# KiCad board demo_matrix2.kicad_pcb (continued)
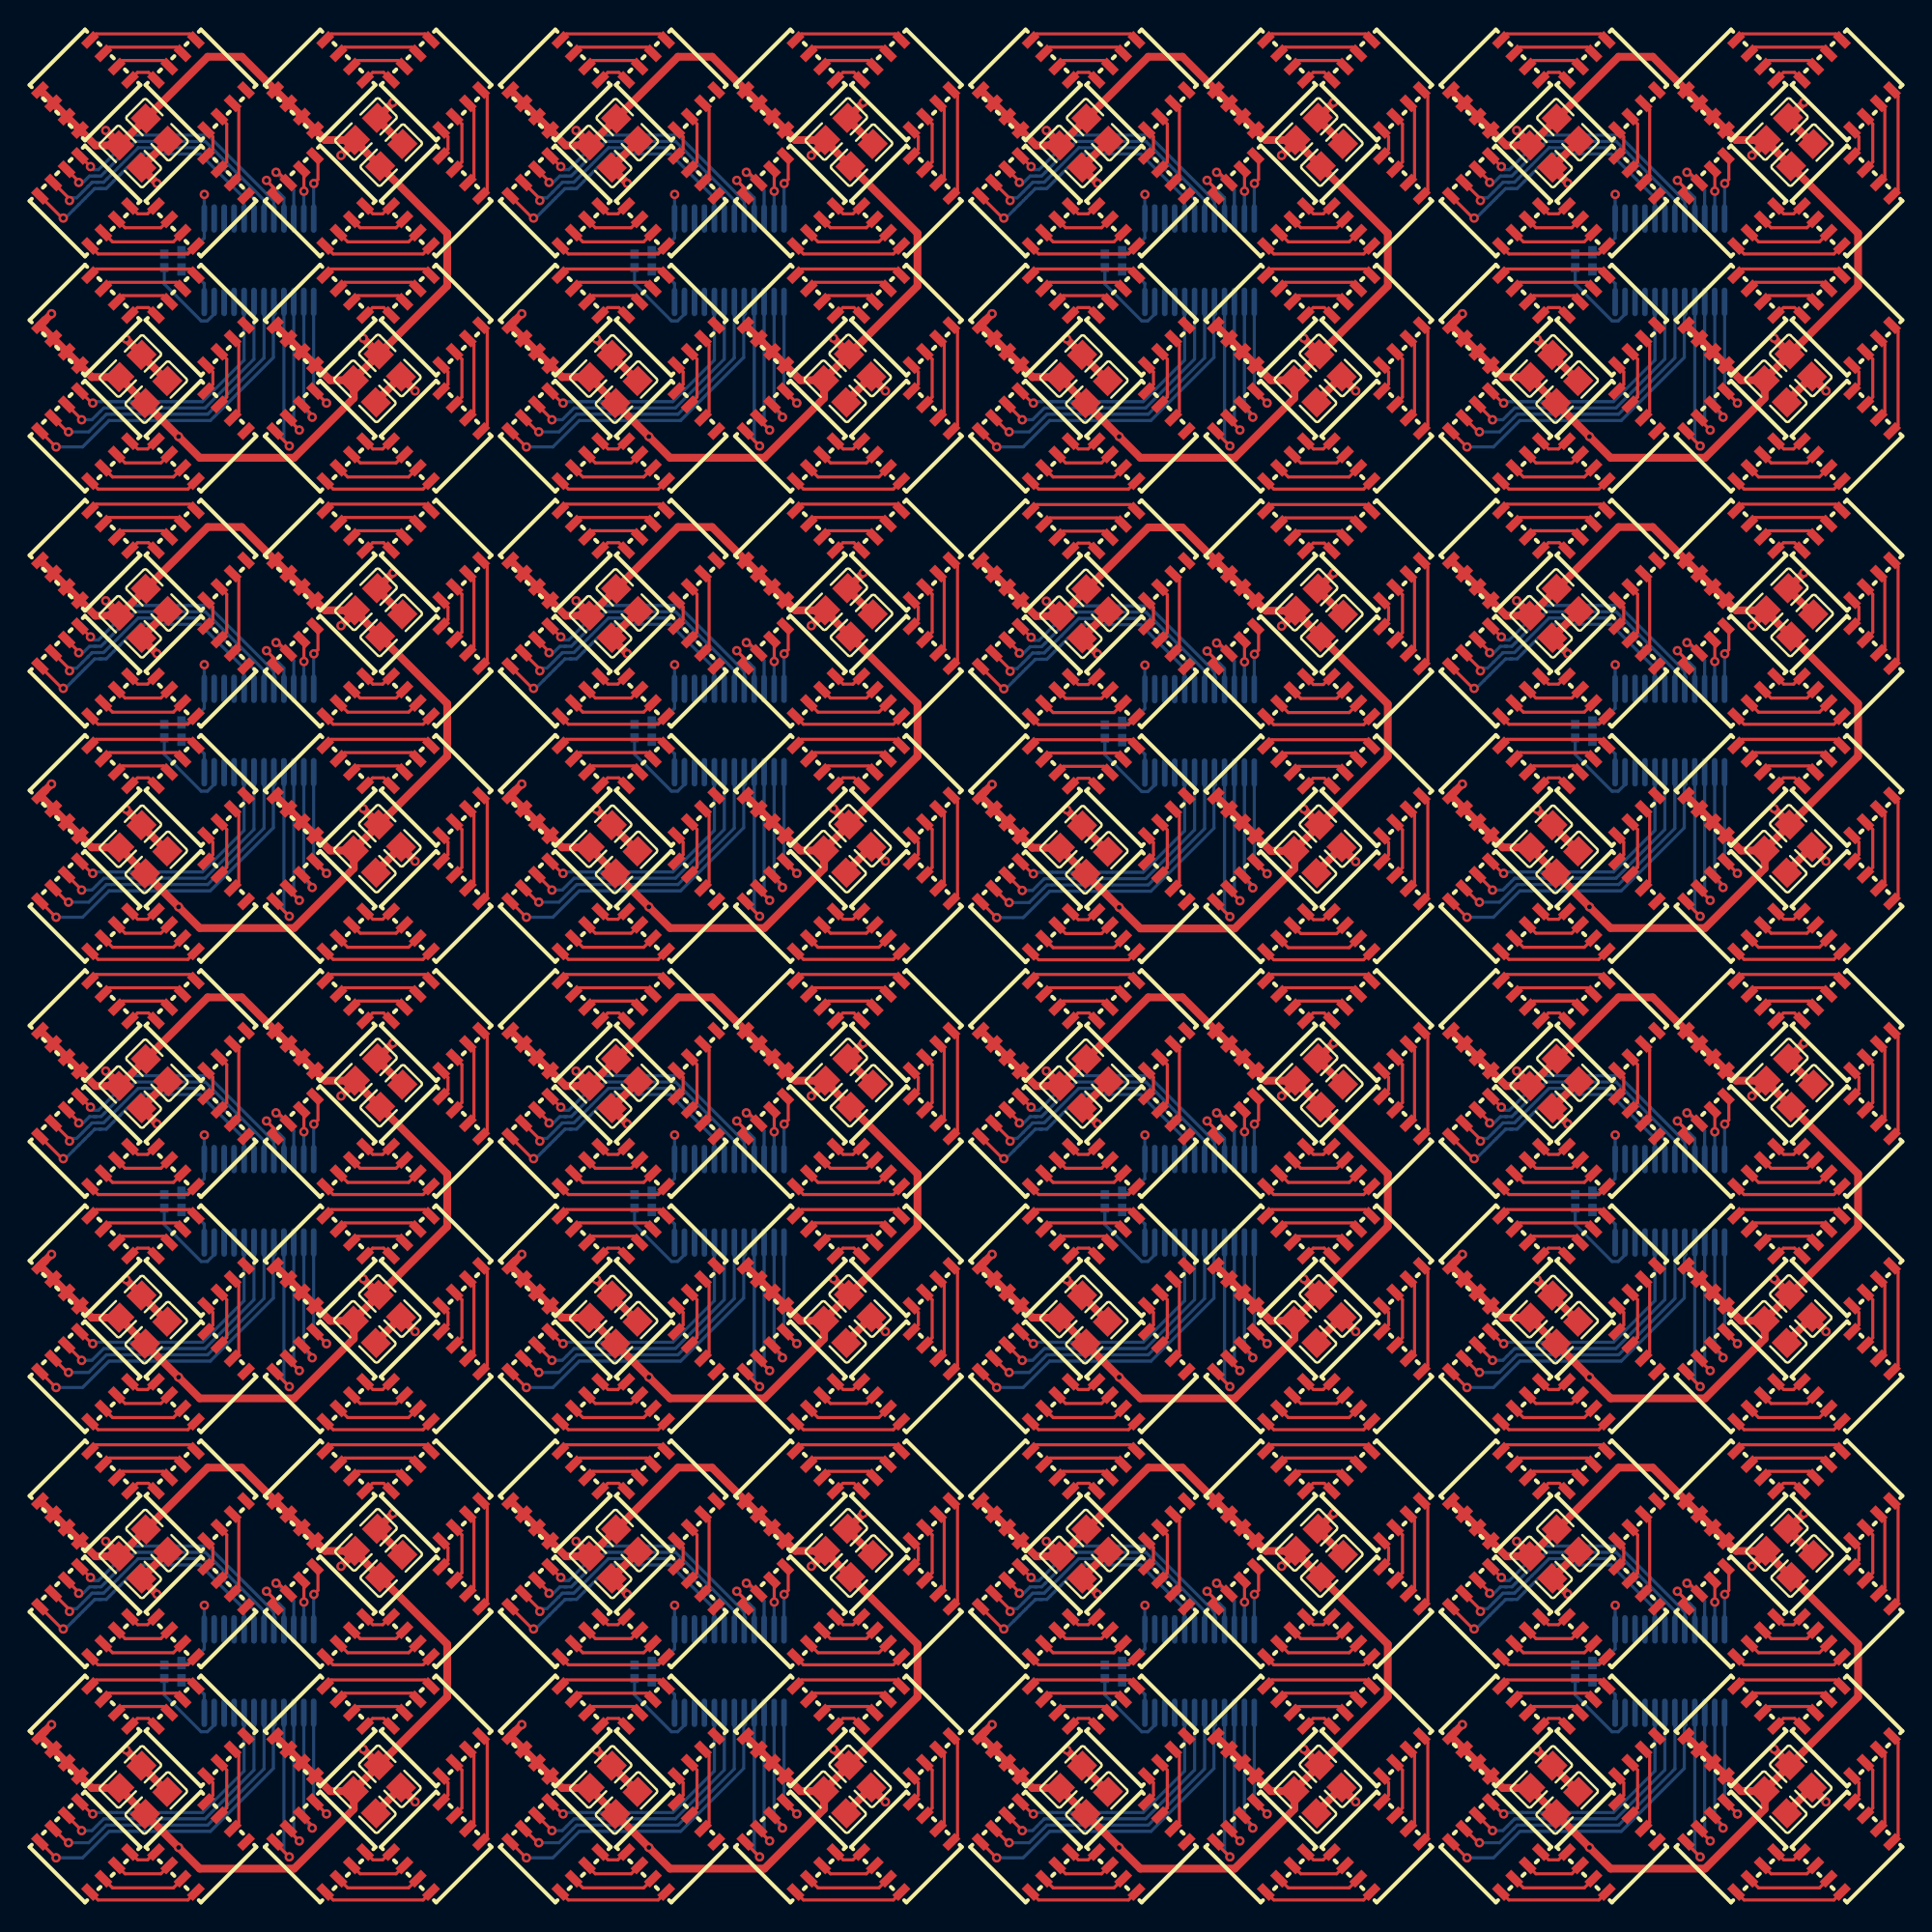
[diagram p0: board, top side]
## Routing (per net, layer and track width the routed paths; a pad name or vN(x,y) marks a point on that pad's centre or on a via; arc(x,y) is an arc through that point) (continued)
rgbs[3]-cathodes-cathode-30: length 7.9
  Top w0.2: v1(79.21,32.11) 78.47,32.84 LED176.7
  Bottom w0.2: U51.13 78.39,32.93 v1(79.21,32.11)
rgbs[3]-cathodes-cathode-31: length 8.7
  Top w0.2: v1(78.29,31.21) 78.29,31.36 LED176.5
  Bottom w0.2: U51.14 77.76,31.74 v1(78.29,31.21)
rgbs[3]-cathodes-cathode-32: length 17.9
  Top w0.2: v1(92.42,43.91) 92.34,43.91 LED180.1
  Bottom w0.2: 92.61,43.97 92.54,43.91 ; 92.54,43.91 93.06,44.43 93.06,44.43 93.41,44.78 93.41,44.78 93.81,45.18 94.05,45.42 94.4,45.77 94.4,45.77 94.42,45.79 94.73,45.79 94.82,45.79 95.16,45.79 97.36,48 101.15,48 103.95,45.19 103.95,44.99 U56.5 ; 92.54,43.91 v1(92.42,43.91)
rgbs[3]-cathodes-cathode-33: length 9.4
  Top w0.2: v1(107.47,30.39) 106.78,31.08 LED192.3
  Bottom w0.2: v1(107.47,30.39) 107.12,30.74 U56.15
rgbs[3]-cathodes-cathode-34: length 10.7
  Top w0.2: v1(106.83,29.37) 105.93,30.27 LED192.1
  Bottom w0.2: v1(106.83,29.37) 106.49,29.71 U56.16
rgbs[3]-cathodes-cathode-35: length 21.3
  Top w0.2: v1(91.96,29.31) 91.94,29.31 LED188.1
  Bottom w0.2: U56.17 105.92,38.56 105.92,37.86 105.82,37.75 105.82,35.02 101.8,31 95.33,31 93.65,29.31 v1(91.96,29.31)
rgbs[3]-cathodes-cathode-36: length 19.3
  Top w0.2: LED188.3 92.68,30.27 v1(92.75,30.27)
  Bottom w0.2: U56.18 105.22,34.99 101.63,31.4 95.17,31.4 94.04,30.27 v1(92.75,30.27)
rgbs[3]-cathodes-cathode-37: length 17.6
  Top w0.2: LED188.5 93.59,31.06 v1(93.59,31.05)
  Bottom w0.2: U56.19 104.58,34.91 101.46,31.8 95,31.8 94.25,31.05 v1(93.59,31.05)
rgbs[3]-cathodes-cathode-38: length 15.2
  Top w0.2: v1(94.3,32.11) 94.23,32.11 93.76,32.59
  Bottom w0.2: v1(94.3,32.11) 94.39,32.2 101.3,32.2 103.95,34.85 U56.20
rgbs[3]-cathodes-cathode-39: length 17.3
  Top w0.2: LED180.3 92.81,45.14 v1(92.81,45.03)
  Bottom w0.2: v1(92.81,45.03) 92.98,45.2 93.26,45.2 93.65,45.58 94,45.94 94,45.94 94.26,46.19 94.56,46.19 94.57,46.19 94.99,46.19 97.19,48.4 101.31,48.4 104.58,45.13 U56.6
rgbs[3]-cathodes-cathode-40: length 16.9
  Top w0.2: LED180.5 93.4,46.25 v1(93.4,46.19)
  Bottom w0.2: v1(93.4,46.19) 93.54,46.04 94.09,46.59 94.4,46.59 94.49,46.59 94.82,46.59 97.03,48.8 101.48,48.8 105.22,45.06 U56.7
rgbs[3]-cathodes-cathode-41: length 16.1
  Top w0.2: v1(94.15,47.19) 94.15,47.2 93.76,47.59
  Bottom w0.2: U56.8 105.85,44.99 101.64,49.2 96.86,49.2 94.66,47 94.35,47 v1(94.15,47.19)
rgbs[3]-cathodes-cathode-42: length 4.1
  Top w0.2: LED184.1 105.93,45.76 v1(105.38,46.31)
  Bottom w0.2: v1(105.38,46.31) 106.49,45.2 U56.9
rgbs[3]-cathodes-cathode-43: length 4.5
  Top w0.2: v1(105.99,46.83) 106.12,46.83 LED184.3
  Bottom w0.2: v1(105.99,46.83) 107.12,45.7 U56.10
rgbs[3]-cathodes-cathode-44: length 3.2
  Top w0.2: LED184.5 107.77,46.88 v1(107.77,45.63)
  Bottom w0.2: U56.11 107.76,45.62 v1(107.77,45.63)
rgbs[3]-cathodes-cathode-45: length 3.7
  Top w0.2: v1(108.4,46.11) 108.66,46.38 108.66,47.44
  Bottom w0.2: v1(108.4,46.11) 108.39,46.1 U56.12
rgbs[3]-cathodes-cathode-46: length 7.9
  Top w0.2: LED192.7 108.47,32.84 v1(109.21,32.11)
  Bottom w0.2: v1(109.21,32.11) 108.39,32.93 U56.13
rgbs[3]-cathodes-cathode-47: length 8.7
  Top w0.2: v1(108.29,31.21) 108.29,31.36 LED192.5
  Bottom w0.2: U56.14 107.76,31.74 v1(108.29,31.21)
rgbs[3]-cathodes-cathode-48: length 17.9
  Top w0.2: LED196.1 92.34,13.91 v1(92.42,13.91)
  Bottom w0.2: 92.61,13.97 92.54,13.91 ; 92.54,13.91 v1(92.42,13.91) ; 92.54,13.91 93.06,14.43 93.06,14.43 93.41,14.78 93.41,14.78 93.81,15.18 94.05,15.42 94.4,15.77 94.4,15.77 94.42,15.79 94.73,15.79 94.82,15.79 95.16,15.79 97.36,18 101.15,18 103.95,15.19 103.95,14.99 U61.5
rgbs[3]-cathodes-cathode-49: length 9.4
  Top w0.2: LED208.3 106.78,1.08 v1(107.47,0.39)
  Bottom w0.2: U61.15 107.12,0.74 v1(107.47,0.39)
rgbs[3]-cathodes-cathode-50: length 10.7
  Top w0.2: LED208.1 105.93,0.27 v1(106.83,-0.63)
  Bottom w0.2: v1(106.83,-0.63) 106.49,-0.29 U61.16
rgbs[3]-cathodes-cathode-51: length 21.3
  Top w0.2: LED204.1 91.94,-0.69 v1(91.96,-0.69)
  Bottom w0.2: v1(91.96,-0.69) 93.65,-0.69 95.33,1 101.8,1 105.82,5.02 105.82,7.75 105.92,7.86 105.92,8.56 U61.17
rgbs[3]-cathodes-cathode-52: length 19.3
  Top w0.2: v1(92.75,0.27) 92.68,0.27 LED204.3
  Bottom w0.2: U61.18 105.22,4.99 101.63,1.4 95.17,1.4 94.04,0.27 v1(92.75,0.27)
rgbs[3]-cathodes-cathode-53: length 17.6
  Top w0.2: LED204.5 93.59,1.06 v1(93.59,1.05)
  Bottom w0.2: U61.19 104.58,4.91 101.46,1.8 95,1.8 94.25,1.05 v1(93.59,1.05)
rgbs[3]-cathodes-cathode-54: length 15.2
  Top w0.2: 93.76,2.59 94.23,2.11 v1(94.3,2.11)
  Bottom w0.2: U61.20 103.95,4.85 101.3,2.2 94.39,2.2 v1(94.3,2.11)
rgbs[3]-cathodes-cathode-55: length 17.3
  Top w0.2: v1(92.81,15.03) 92.81,15.14 LED196.3
  Bottom w0.2: v1(92.81,15.03) 92.98,15.2 93.26,15.2 93.65,15.58 94,15.94 94,15.94 94.26,16.19 94.56,16.19 94.57,16.19 94.99,16.19 97.19,18.4 101.31,18.4 104.58,15.13 U61.6
rgbs[3]-cathodes-cathode-56: length 16.9
  Top w0.2: LED196.5 93.4,16.25 v1(93.4,16.19)
  Bottom w0.2: U61.7 105.22,15.06 101.48,18.8 97.03,18.8 94.82,16.59 94.4,16.59 94.09,16.59 93.54,16.04 v1(93.4,16.19)
rgbs[3]-cathodes-cathode-57: length 16.1
  Top w0.2: v1(94.15,17.19) 94.15,17.2 93.76,17.59
  Bottom w0.2: U61.8 105.85,14.99 101.64,19.2 96.86,19.2 94.66,17 94.35,17 v1(94.15,17.19)
rgbs[3]-cathodes-cathode-58: length 4.1
  Top w0.2: LED200.1 105.93,15.76 v1(105.38,16.31)
  Bottom w0.2: v1(105.38,16.31) 106.49,15.2 U61.9
rgbs[3]-cathodes-cathode-59: length 4.5
  Top w0.2: v1(105.99,16.83) 106.12,16.83 LED200.3
  Bottom w0.2: v1(105.99,16.83) 107.12,15.7 U61.10
rgbs[3]-cathodes-cathode-60: length 3.2
  Top w0.2: v1(107.77,15.63) 107.77,16.88 LED200.5
  Bottom w0.2: v1(107.77,15.63) 107.76,15.62 U61.11
rgbs[3]-cathodes-cathode-61: length 3.7
  Top w0.2: 108.66,17.44 108.66,16.38 v1(108.4,16.11)
  Bottom w0.2: U61.12 108.39,16.1 v1(108.4,16.11)
rgbs[3]-cathodes-cathode-62: length 7.9
  Top w0.2: v1(109.21,2.11) 108.47,2.84 LED208.7
  Bottom w0.2: U61.13 108.39,2.93 v1(109.21,2.11)
rgbs[3]-cathodes-cathode-63: length 8.7
  Top w0.2: v1(108.29,1.21) 108.29,1.36 LED208.5
  Bottom w0.2: U61.14 107.76,1.74 v1(108.29,1.21)
rgbs[3]-cathodes-cathode-64: length 17.9
  Top w0.2: LED212.1 62.34,13.91 v1(62.42,13.91)
  Bottom w0.2: 62.54,13.91 63.06,14.43 63.06,14.43 63.41,14.78 63.41,14.78 63.81,15.18 64.05,15.42 64.4,15.77 64.4,15.77 64.42,15.79 64.73,15.79 64.82,15.79 65.16,15.79 67.36,18 71.15,18 73.95,15.19 73.95,14.99 U66.5 ; 62.54,13.91 v1(62.42,13.91) ; 62.54,13.91 62.61,13.97
rgbs[3]-cathodes-cathode-65: length 9.4
  Top w0.2: LED224.3 76.78,1.08 v1(77.47,0.39)
  Bottom w0.2: v1(77.47,0.39) 77.12,0.74 U66.15
rgbs[3]-cathodes-cathode-66: length 10.7
  Top w0.2: v1(76.83,-0.63) 75.93,0.27 LED224.1
  Bottom w0.2: v1(76.83,-0.63) 76.49,-0.29 U66.16
rgbs[3]-cathodes-cathode-67: length 21.3
  Top w0.2: v1(61.96,-0.69) 61.94,-0.69 LED220.1
  Bottom w0.2: U66.17 75.92,8.56 75.92,7.86 75.82,7.75 75.82,5.02 71.8,1 65.33,1 63.65,-0.69 v1(61.96,-0.69)
rgbs[3]-cathodes-cathode-68: length 19.3
  Top w0.2: v1(62.75,0.27) 62.68,0.27 LED220.3
  Bottom w0.2: v1(62.75,0.27) 64.04,0.27 65.17,1.4 71.63,1.4 75.22,4.99 U66.18
rgbs[3]-cathodes-cathode-69: length 17.6
  Top w0.2: v1(63.59,1.05) 63.59,1.06 LED220.5
  Bottom w0.2: U66.19 74.58,4.91 71.46,1.8 65,1.8 64.25,1.05 v1(63.59,1.05)
rgbs[3]-cathodes-cathode-70: length 15.2
  Top w0.2: v1(64.3,2.11) 64.23,2.11 63.76,2.59
  Bottom w0.2: U66.20 73.95,4.85 71.3,2.2 64.39,2.2 v1(64.3,2.11)
rgbs[3]-cathodes-cathode-71: length 17.3
  Top w0.2: v1(62.81,15.03) 62.81,15.14 LED212.3
  Bottom w0.2: U66.6 74.58,15.13 71.31,18.4 67.19,18.4 64.99,16.19 64.57,16.19 64.56,16.19 64.26,16.19 64,15.94 64,15.94 63.65,15.58 63.26,15.2 62.98,15.2 v1(62.81,15.03)
rgbs[3]-cathodes-cathode-72: length 16.9
  Top w0.2: LED212.5 63.4,16.25 v1(63.4,16.19)
  Bottom w0.2: v1(63.4,16.19) 63.54,16.04 64.09,16.59 64.4,16.59 64.49,16.59 64.82,16.59 67.03,18.8 71.48,18.8 75.22,15.06 U66.7
rgbs[3]-cathodes-cathode-73: length 16.1
  Top w0.2: 63.76,17.59 64.15,17.2 v1(64.15,17.19)
  Bottom w0.2: v1(64.15,17.19) 64.35,17 64.66,17 66.86,19.2 71.64,19.2 75.85,14.99 U66.8
rgbs[3]-cathodes-cathode-74: length 4.1
  Top w0.2: v1(75.38,16.31) 75.93,15.76 LED216.1
  Bottom w0.2: v1(75.38,16.31) 76.49,15.2 U66.9
rgbs[3]-cathodes-cathode-75: length 4.5
  Top w0.2: v1(75.99,16.83) 76.12,16.83 LED216.3
  Bottom w0.2: v1(75.99,16.83) 77.12,15.7 U66.10
rgbs[3]-cathodes-cathode-76: length 3.2
  Top w0.2: v1(77.77,15.63) 77.77,16.88 LED216.5
  Bottom w0.2: U66.11 77.76,15.62 v1(77.77,15.63)
rgbs[3]-cathodes-cathode-77: length 3.7
  Top w0.2: 78.66,17.44 78.66,16.38 v1(78.4,16.11)
  Bottom w0.2: U66.12 78.39,16.1 v1(78.4,16.11)
rgbs[3]-cathodes-cathode-78: length 7.9
  Top w0.2: v1(79.21,2.11) 78.47,2.84 LED224.7
  Bottom w0.2: U66.13 78.39,2.93 v1(79.21,2.11)
rgbs[3]-cathodes-cathode-79: length 8.7
  Top w0.2: LED224.5 78.29,1.36 v1(78.29,1.21)
  Bottom w0.2: U66.14 77.76,1.74 v1(78.29,1.21)
rgbs[3]-cathodes-cathode-80: length 17.9
  Top w0.2: v1(32.42,13.91) 32.34,13.91 LED228.1
  Bottom w0.2: v1(32.42,13.91) 32.54,13.91 ; 32.54,13.91 33.06,14.43 33.06,14.43 33.41,14.78 33.41,14.78 33.81,15.18 34.05,15.42 34.4,15.77 34.4,15.77 34.42,15.79 34.73,15.79 34.82,15.79 35.16,15.79 37.36,18 41.15,18 43.95,15.19 43.95,14.99 U71.5 ; 32.54,13.91 32.61,13.97
rgbs[3]-cathodes-cathode-81: length 9.4
  Top w0.2: LED240.3 46.78,1.08 v1(47.47,0.39)
  Bottom w0.2: v1(47.47,0.39) 47.12,0.74 U71.15
rgbs[3]-cathodes-cathode-82: length 10.7
  Top w0.2: LED240.1 45.93,0.27 v1(46.83,-0.63)
  Bottom w0.2: v1(46.83,-0.63) 46.49,-0.29 U71.16
rgbs[3]-cathodes-cathode-83: length 21.3
  Top w0.2: v1(31.96,-0.69) 31.94,-0.69 LED236.1
  Bottom w0.2: U71.17 45.92,8.56 45.92,7.86 45.82,7.75 45.82,5.02 41.8,1 35.33,1 33.65,-0.69 v1(31.96,-0.69)
rgbs[3]-cathodes-cathode-84: length 19.3
  Top w0.2: v1(32.75,0.27) 32.68,0.27 LED236.3
  Bottom w0.2: v1(32.75,0.27) 34.04,0.27 35.17,1.4 41.63,1.4 45.22,4.99 U71.18
rgbs[3]-cathodes-cathode-85: length 17.6
  Top w0.2: LED236.5 33.59,1.06 v1(33.59,1.05)
  Bottom w0.2: v1(33.59,1.05) 34.25,1.05 35,1.8 41.46,1.8 44.58,4.91 U71.19
rgbs[3]-cathodes-cathode-86: length 15.2
  Top w0.2: v1(34.3,2.11) 34.23,2.11 33.76,2.59
  Bottom w0.2: U71.20 43.95,4.85 41.3,2.2 34.39,2.2 v1(34.3,2.11)
rgbs[3]-cathodes-cathode-87: length 17.3
  Top w0.2: v1(32.81,15.03) 32.81,15.14 LED228.3
  Bottom w0.2: U71.6 44.58,15.13 41.31,18.4 37.19,18.4 34.99,16.19 34.57,16.19 34.56,16.19 34.26,16.19 34,15.94 34,15.94 33.65,15.58 33.26,15.2 32.98,15.2 v1(32.81,15.03)
rgbs[3]-cathodes-cathode-88: length 16.9
  Top w0.2: LED228.5 33.4,16.25 v1(33.4,16.19)
  Bottom w0.2: U71.7 45.22,15.06 41.48,18.8 37.03,18.8 34.82,16.59 34.4,16.59 34.09,16.59 33.54,16.04 v1(33.4,16.19)
rgbs[3]-cathodes-cathode-89: length 16.1
  Top w0.2: 33.76,17.59 34.15,17.2 v1(34.15,17.19)
  Bottom w0.2: v1(34.15,17.19) 34.35,17 34.66,17 36.86,19.2 41.64,19.2 45.85,14.99 U71.8
rgbs[3]-cathodes-cathode-90: length 4.1
  Top w0.2: LED232.1 45.93,15.76 v1(45.38,16.31)
  Bottom w0.2: v1(45.38,16.31) 46.49,15.2 U71.9
rgbs[3]-cathodes-cathode-91: length 4.5
  Top w0.2: v1(45.99,16.83) 46.12,16.83 LED232.3
  Bottom w0.2: U71.10 47.12,15.7 v1(45.99,16.83)
rgbs[3]-cathodes-cathode-92: length 3.2
  Top w0.2: LED232.5 47.77,16.88 v1(47.77,15.63)
  Bottom w0.2: v1(47.77,15.63) 47.76,15.62 U71.11
rgbs[3]-cathodes-cathode-93: length 3.7
  Top w0.2: 48.66,17.44 48.66,16.38 v1(48.4,16.11)
  Bottom w0.2: v1(48.4,16.11) 48.39,16.1 U71.12
rgbs[3]-cathodes-cathode-94: length 7.9
  Top w0.2: v1(49.21,2.11) 48.47,2.84 LED240.7
  Bottom w0.2: U71.13 48.39,2.93 v1(49.21,2.11)
rgbs[3]-cathodes-cathode-95: length 8.7
  Top w0.2: v1(48.29,1.21) 48.29,1.36 LED240.5
  Bottom w0.2: v1(48.29,1.21) 47.76,1.74 U71.14
rgbs[3]-cathodes-cathode-96: length 17.9
  Top w0.2: v1(2.42,13.91) 2.34,13.91 LED244.1
  Bottom w0.2: v1(2.42,13.91) 2.54,13.91 ; 2.54,13.91 2.61,13.97 ; 2.54,13.91 3.06,14.43 3.06,14.43 3.41,14.78 3.41,14.78 3.81,15.18 4.05,15.42 4.4,15.77 4.4,15.77 4.42,15.79 4.73,15.79 4.82,15.79 5.16,15.79 7.36,18 11.15,18 13.95,15.19 13.95,14.99 U76.5
rgbs[3]-cathodes-cathode-97: length 9.4
  Top w0.2: LED256.3 16.78,1.08 v1(17.47,0.39)
  Bottom w0.2: v1(17.47,0.39) 17.12,0.74 U76.15
rgbs[3]-cathodes-cathode-98: length 10.7
  Top w0.2: v1(16.83,-0.63) 15.93,0.27 LED256.1
  Bottom w0.2: v1(16.83,-0.63) 16.49,-0.29 U76.16
rgbs[3]-cathodes-cathode-99: length 21.3
  Top w0.2: v1(1.96,-0.69) 1.94,-0.69 LED252.1
  Bottom w0.2: v1(1.96,-0.69) 3.65,-0.69 5.33,1 11.8,1 15.82,5.02 15.82,7.75 15.92,7.86 15.92,8.56 U76.17
rgbs[3]-cathodes-cathode-100: length 19.3
  Top w0.2: LED252.3 2.68,0.27 v1(2.75,0.27)
  Bottom w0.2: v1(2.75,0.27) 4.04,0.27 5.17,1.4 11.63,1.4 15.22,4.99 U76.18
rgbs[3]-cathodes-cathode-101: length 17.6
  Top w0.2: v1(3.59,1.05) 3.59,1.06 LED252.5
  Bottom w0.2: U76.19 14.58,4.91 11.46,1.8 5,1.8 4.25,1.05 v1(3.59,1.05)
rgbs[3]-cathodes-cathode-102: length 15.2
  Top w0.2: 3.76,2.59 4.23,2.11 v1(4.3,2.11)
  Bottom w0.2: U76.20 13.95,4.85 11.3,2.2 4.39,2.2 v1(4.3,2.11)
rgbs[3]-cathodes-cathode-103: length 17.3
  Top w0.2: v1(2.81,15.03) 2.81,15.14 LED244.3
  Bottom w0.2: U76.6 14.58,15.13 11.31,18.4 7.19,18.4 4.99,16.19 4.57,16.19 4.56,16.19 4.26,16.19 4,15.94 4,15.94 3.65,15.58 3.26,15.2 2.98,15.2 v1(2.81,15.03)
rgbs[3]-cathodes-cathode-104: length 16.9
  Top w0.2: LED244.5 3.4,16.25 v1(3.4,16.19)
  Bottom w0.2: U76.7 15.22,15.06 11.48,18.8 7.03,18.8 4.82,16.59 4.4,16.59 4.09,16.59 3.54,16.04 v1(3.4,16.19)
rgbs[3]-cathodes-cathode-105: length 16.1
  Top w0.2: v1(4.15,17.19) 4.15,17.2 3.76,17.59
  Bottom w0.2: U76.8 15.85,14.99 11.64,19.2 6.86,19.2 4.66,17 4.35,17 v1(4.15,17.19)
rgbs[3]-cathodes-cathode-106: length 4.1
  Top w0.2: v1(15.38,16.31) 15.93,15.76 LED248.1
  Bottom w0.2: U76.9 16.49,15.2 v1(15.38,16.31)
rgbs[3]-cathodes-cathode-107: length 4.5
  Top w0.2: LED248.3 16.12,16.83 v1(15.99,16.83)
  Bottom w0.2: v1(15.99,16.83) 17.12,15.7 U76.10
rgbs[3]-cathodes-cathode-108: length 3.2
  Top w0.2: v1(17.77,15.63) 17.77,16.88 LED248.5
  Bottom w0.2: v1(17.77,15.63) 17.76,15.62 U76.11
rgbs[3]-cathodes-cathode-109: length 3.7
  Top w0.2: 18.66,17.44 18.66,16.38 v1(18.4,16.11)
  Bottom w0.2: U76.12 18.39,16.1 v1(18.4,16.11)
rgbs[3]-cathodes-cathode-110: length 7.9
  Top w0.2: v1(19.21,2.11) 18.47,2.84 LED256.7
  Bottom w0.2: U76.13 18.39,2.93 v1(19.21,2.11)
rgbs[3]-cathodes-cathode-111: length 8.7
  Top w0.2: LED256.5 18.29,1.36 v1(18.29,1.21)
  Bottom w0.2: U76.14 17.76,1.74 v1(18.29,1.21)
rgbs[3]-cathodes-cathode-112: length 17.9
  Top w0.2: LED20.1 32.34,103.91 v1(32.42,103.91)
  Bottom w0.2: 32.61,103.97 32.54,103.91 ; 32.54,103.91 v1(32.42,103.91) ; 32.54,103.91 33.06,104.43 33.06,104.43 33.41,104.78 33.41,104.78 33.81,105.18 34.05,105.42 34.4,105.77 34.4,105.77 34.42,105.79 34.73,105.79 34.82,105.79 35.16,105.79 37.36,108 41.15,108 43.95,105.19 43.95,104.99 U6.5
rgbs[3]-cathodes-cathode-113: length 9.4
  Top w0.2: v1(47.47,90.39) 46.78,91.08 LED32.3
  Bottom w0.2: v1(47.47,90.39) 47.12,90.74 U6.15
rgbs[3]-cathodes-cathode-114: length 10.7
  Top w0.2: v1(46.83,89.37) 45.93,90.27 LED32.1
  Bottom w0.2: U6.16 46.49,89.71 v1(46.83,89.37)
rgbs[3]-cathodes-cathode-115: length 21.3
  Top w0.2: LED28.1 31.94,89.31 v1(31.96,89.31)
  Bottom w0.2: U6.17 45.92,98.56 45.92,97.86 45.82,97.75 45.82,95.02 41.8,91 35.33,91 33.65,89.31 v1(31.96,89.31)
rgbs[3]-cathodes-cathode-116: length 19.3
  Top w0.2: v1(32.75,90.27) 32.68,90.27 LED28.3
  Bottom w0.2: v1(32.75,90.27) 34.04,90.27 35.17,91.4 41.63,91.4 45.22,94.99 U6.18
rgbs[3]-cathodes-cathode-117: length 17.6
  Top w0.2: LED28.5 33.59,91.06 v1(33.59,91.05)
  Bottom w0.2: v1(33.59,91.05) 34.25,91.05 35,91.8 41.46,91.8 44.58,94.91 U6.19
rgbs[3]-cathodes-cathode-118: length 15.2
  Top w0.2: 33.76,92.59 34.23,92.11 v1(34.3,92.11)
  Bottom w0.2: U6.20 43.95,94.85 41.3,92.2 34.39,92.2 v1(34.3,92.11)
rgbs[3]-cathodes-cathode-119: length 17.3
  Top w0.2: LED20.3 32.81,105.14 v1(32.81,105.03)
  Bottom w0.2: U6.6 44.58,105.13 41.31,108.4 37.19,108.4 34.99,106.19 34.57,106.19 34.56,106.19 34.26,106.19 34,105.94 34,105.94 33.65,105.58 33.26,105.2 32.98,105.2 v1(32.81,105.03)
rgbs[3]-cathodes-cathode-120: length 16.9
  Top w0.2: LED20.5 33.4,106.25 v1(33.4,106.19)
  Bottom w0.2: U6.7 45.22,105.06 41.48,108.8 37.03,108.8 34.82,106.59 34.4,106.59 34.09,106.59 33.54,106.04 v1(33.4,106.19)
rgbs[3]-cathodes-cathode-121: length 16.1
  Top w0.2: 33.76,107.59 34.15,107.2 v1(34.15,107.19)
  Bottom w0.2: v1(34.15,107.19) 34.35,107 34.66,107 36.86,109.2 41.64,109.2 45.85,104.99 U6.8
rgbs[3]-cathodes-cathode-122: length 4.1
  Top w0.2: v1(45.38,106.31) 45.93,105.76 LED24.1
  Bottom w0.2: v1(45.38,106.31) 46.49,105.2 U6.9
rgbs[3]-cathodes-cathode-123: length 4.5
  Top w0.2: v1(45.99,106.83) 46.12,106.83 LED24.3
  Bottom w0.2: v1(45.99,106.83) 47.12,105.7 U6.10
rgbs[3]-cathodes-cathode-124: length 3.2
  Top w0.2: v1(47.77,105.63) 47.77,106.88 LED24.5
  Bottom w0.2: U6.11 47.76,105.62 v1(47.77,105.63)
rgbs[3]-cathodes-cathode-125: length 3.7
  Top w0.2: 48.66,107.44 48.66,106.38 v1(48.4,106.11)
  Bottom w0.2: U6.12 48.39,106.1 v1(48.4,106.11)
rgbs[3]-cathodes-cathode-126: length 7.9
  Top w0.2: v1(49.21,92.11) 48.47,92.84 LED32.7
  Bottom w0.2: U6.13 48.39,92.93 v1(49.21,92.11)
rgbs[3]-cathodes-cathode-127: length 8.7
  Top w0.2: v1(48.29,91.21) 48.29,91.36 LED32.5
  Bottom w0.2: U6.14 47.76,91.74 v1(48.29,91.21)
rgbs[3]-cathodes-cathode-128: length 17.9
  Top w0.2: LED36.1 62.34,103.91 v1(62.42,103.91)
  Bottom w0.2: 62.54,103.91 63.06,104.43 63.06,104.43 63.41,104.78 63.41,104.78 63.81,105.18 64.05,105.42 64.4,105.77 64.4,105.77 64.42,105.79 64.73,105.79 64.82,105.79 65.16,105.79 67.36,108 71.15,108 73.95,105.19 73.95,104.99 U11.5 ; 62.54,103.91 62.61,103.97 ; 62.54,103.91 v1(62.42,103.91)
rgbs[3]-cathodes-cathode-129: length 9.4
  Top w0.2: v1(77.47,90.39) 76.78,91.08 LED48.3
  Bottom w0.2: U11.15 77.12,90.74 v1(77.47,90.39)
rgbs[3]-cathodes-cathode-130: length 10.7
  Top w0.2: v1(76.83,89.37) 75.93,90.27 LED48.1
  Bottom w0.2: U11.16 76.49,89.71 v1(76.83,89.37)
rgbs[3]-cathodes-cathode-131: length 21.3
  Top w0.2: LED44.1 61.94,89.31 v1(61.96,89.31)
  Bottom w0.2: U11.17 75.92,98.56 75.92,97.86 75.82,97.75 75.82,95.02 71.8,91 65.33,91 63.65,89.31 v1(61.96,89.31)
rgbs[3]-cathodes-cathode-132: length 19.3
  Top w0.2: LED44.3 62.68,90.27 v1(62.75,90.27)
  Bottom w0.2: v1(62.75,90.27) 64.04,90.27 65.17,91.4 71.63,91.4 75.22,94.99 U11.18
rgbs[3]-cathodes-cathode-133: length 17.6
  Top w0.2: v1(63.59,91.05) 63.59,91.06 LED44.5
  Bottom w0.2: U11.19 74.58,94.91 71.46,91.8 65,91.8 64.25,91.05 v1(63.59,91.05)
rgbs[3]-cathodes-cathode-134: length 15.2
  Top w0.2: v1(64.3,92.11) 64.23,92.11 63.76,92.59
  Bottom w0.2: v1(64.3,92.11) 64.39,92.2 71.3,92.2 73.95,94.85 U11.20
rgbs[3]-cathodes-cathode-135: length 17.3
  Top w0.2: LED36.3 62.81,105.14 v1(62.81,105.03)
  Bottom w0.2: v1(62.81,105.03) 62.98,105.2 63.26,105.2 63.65,105.58 64,105.94 64,105.94 64.26,106.19 64.56,106.19 64.57,106.19 64.99,106.19 67.19,108.4 71.31,108.4 74.58,105.13 U11.6
rgbs[3]-cathodes-cathode-136: length 16.9
  Top w0.2: v1(63.4,106.19) 63.4,106.25 LED36.5
  Bottom w0.2: v1(63.4,106.19) 63.54,106.04 64.09,106.59 64.4,106.59 64.49,106.59 64.82,106.59 67.03,108.8 71.48,108.8 75.22,105.06 U11.7
rgbs[3]-cathodes-cathode-137: length 16.1
  Top w0.2: 63.76,107.59 64.15,107.2 v1(64.15,107.19)
  Bottom w0.2: v1(64.15,107.19) 64.35,107 64.66,107 66.86,109.2 71.64,109.2 75.85,104.99 U11.8
rgbs[3]-cathodes-cathode-138: length 4.1
  Top w0.2: LED40.1 75.93,105.76 v1(75.38,106.31)
  Bottom w0.2: v1(75.38,106.31) 76.49,105.2 U11.9
rgbs[3]-cathodes-cathode-139: length 4.5
  Top w0.2: LED40.3 76.12,106.83 v1(75.99,106.83)
  Bottom w0.2: v1(75.99,106.83) 77.12,105.7 U11.10
rgbs[3]-cathodes-cathode-140: length 3.2
  Top w0.2: v1(77.77,105.63) 77.77,106.88 LED40.5
  Bottom w0.2: v1(77.77,105.63) 77.76,105.62 U11.11
rgbs[3]-cathodes-cathode-141: length 3.7
  Top w0.2: 78.66,107.44 78.66,106.38 v1(78.4,106.11)
  Bottom w0.2: v1(78.4,106.11) 78.39,106.1 U11.12
rgbs[3]-cathodes-cathode-142: length 7.9
  Top w0.2: v1(79.21,92.11) 78.47,92.84 LED48.7